# KiCad board cpu-blitter-inputs.kicad_pcb
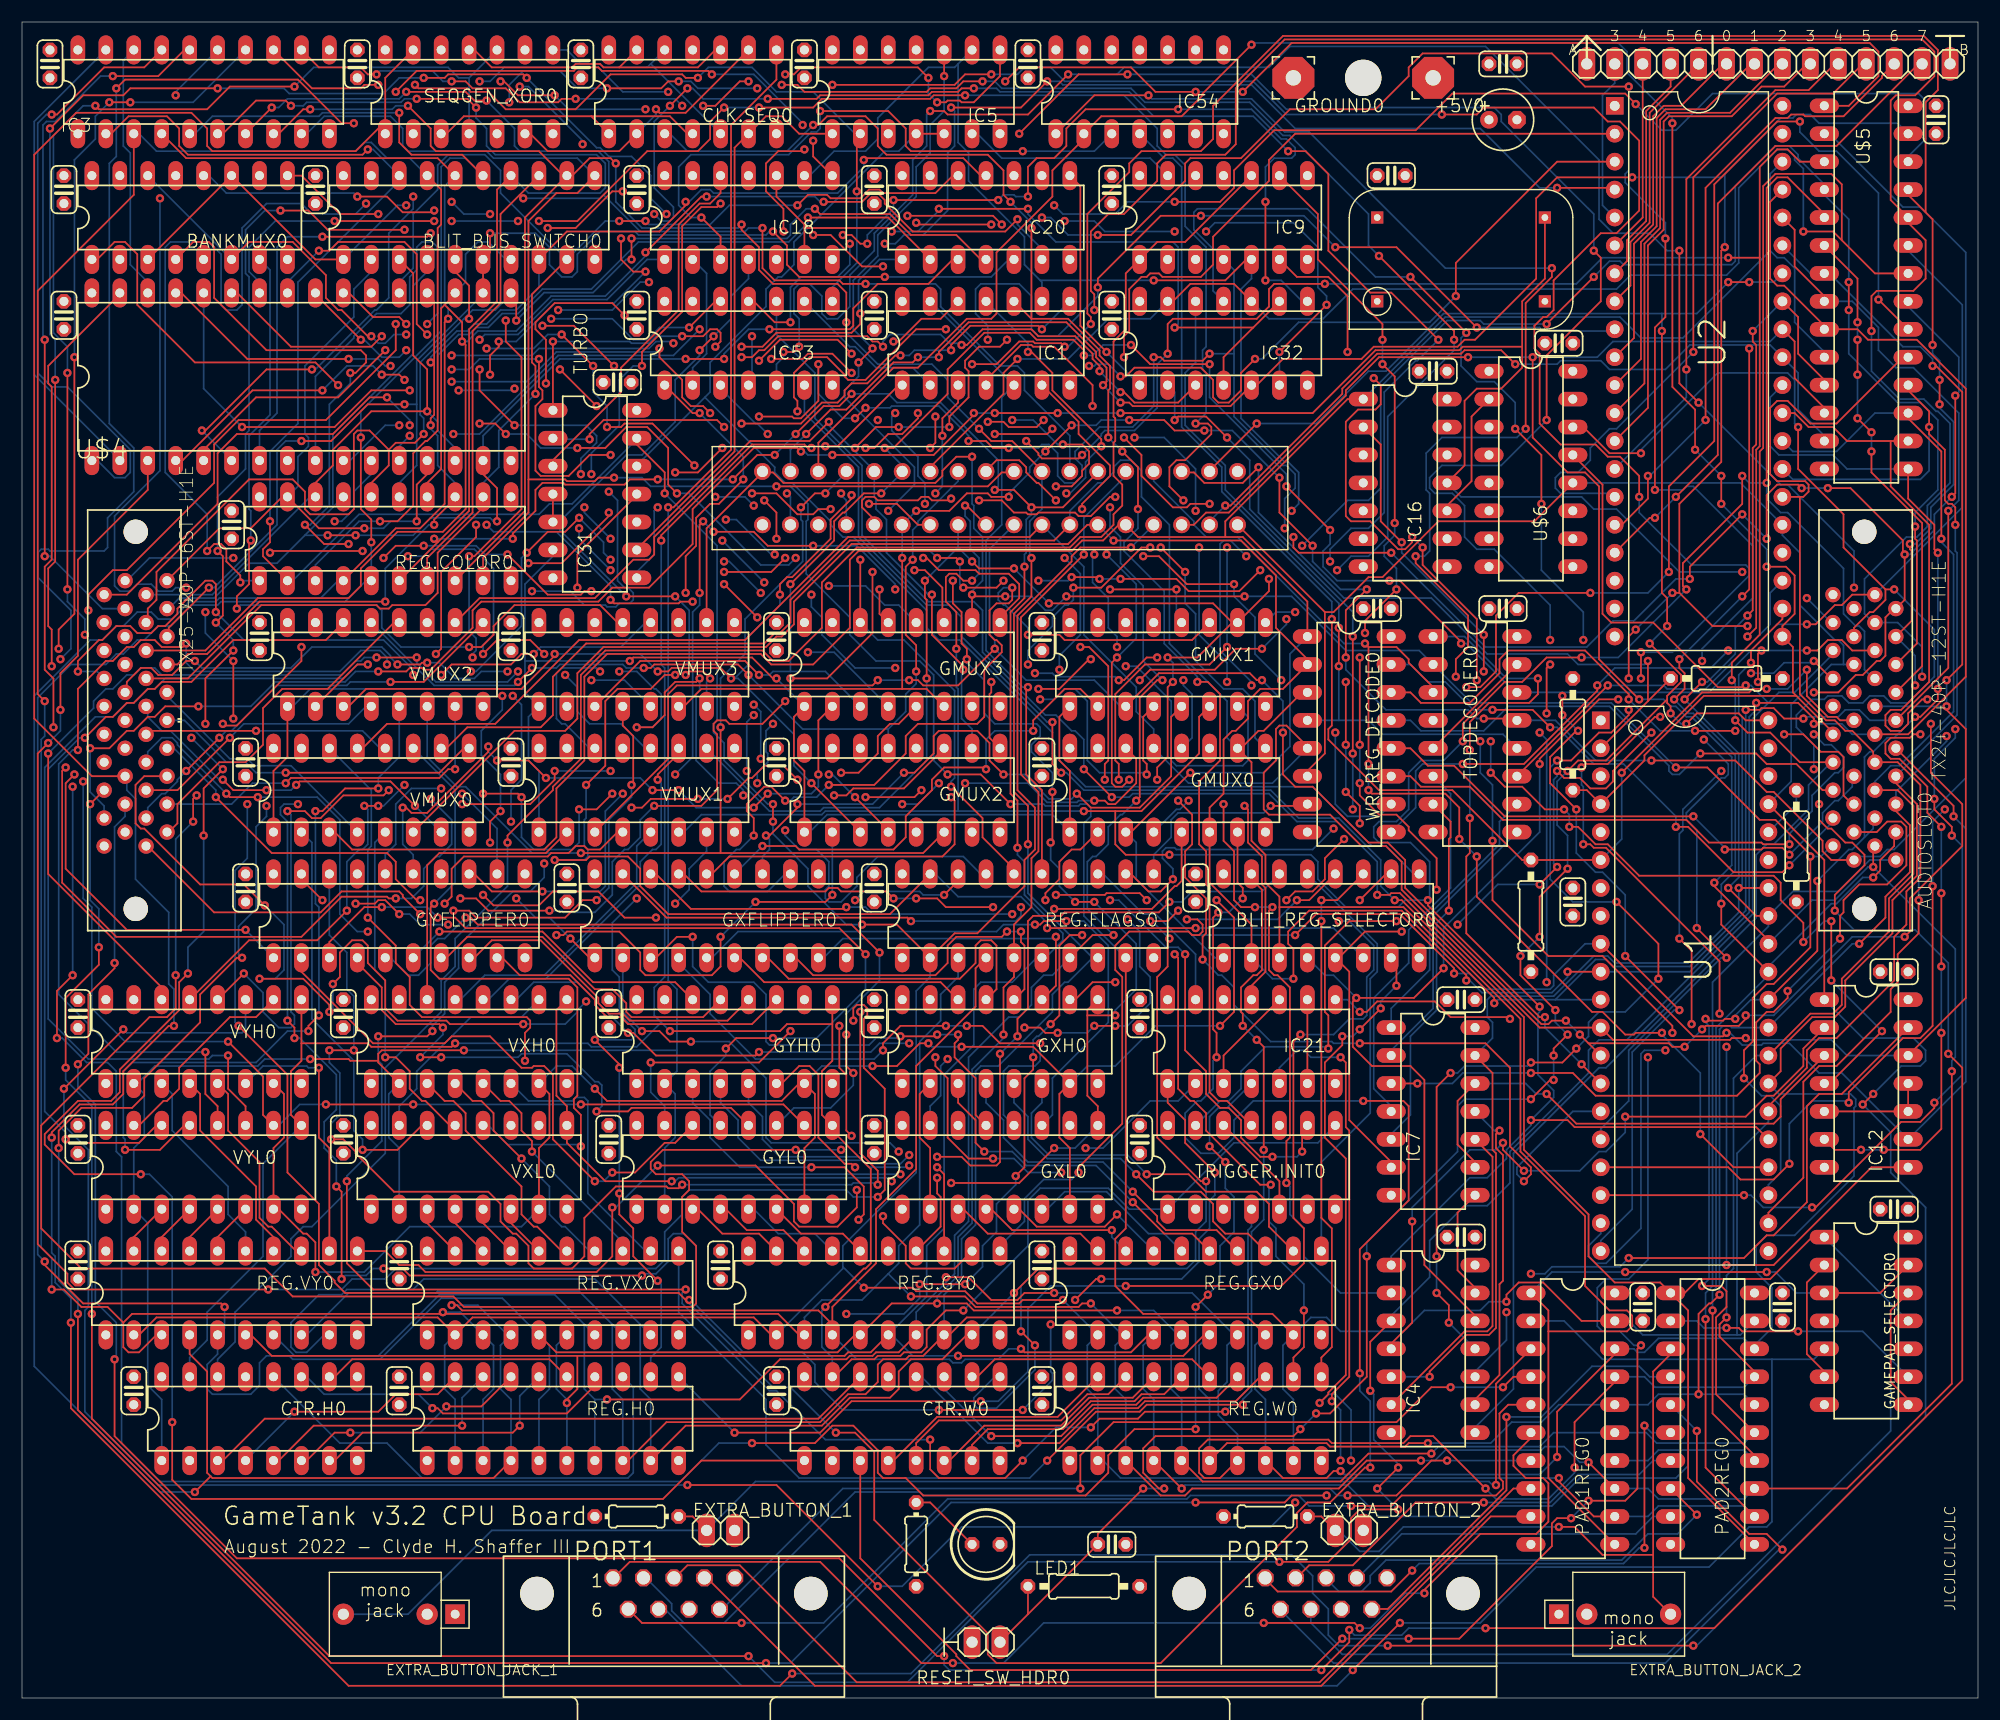
[diagram p0: board, top side]
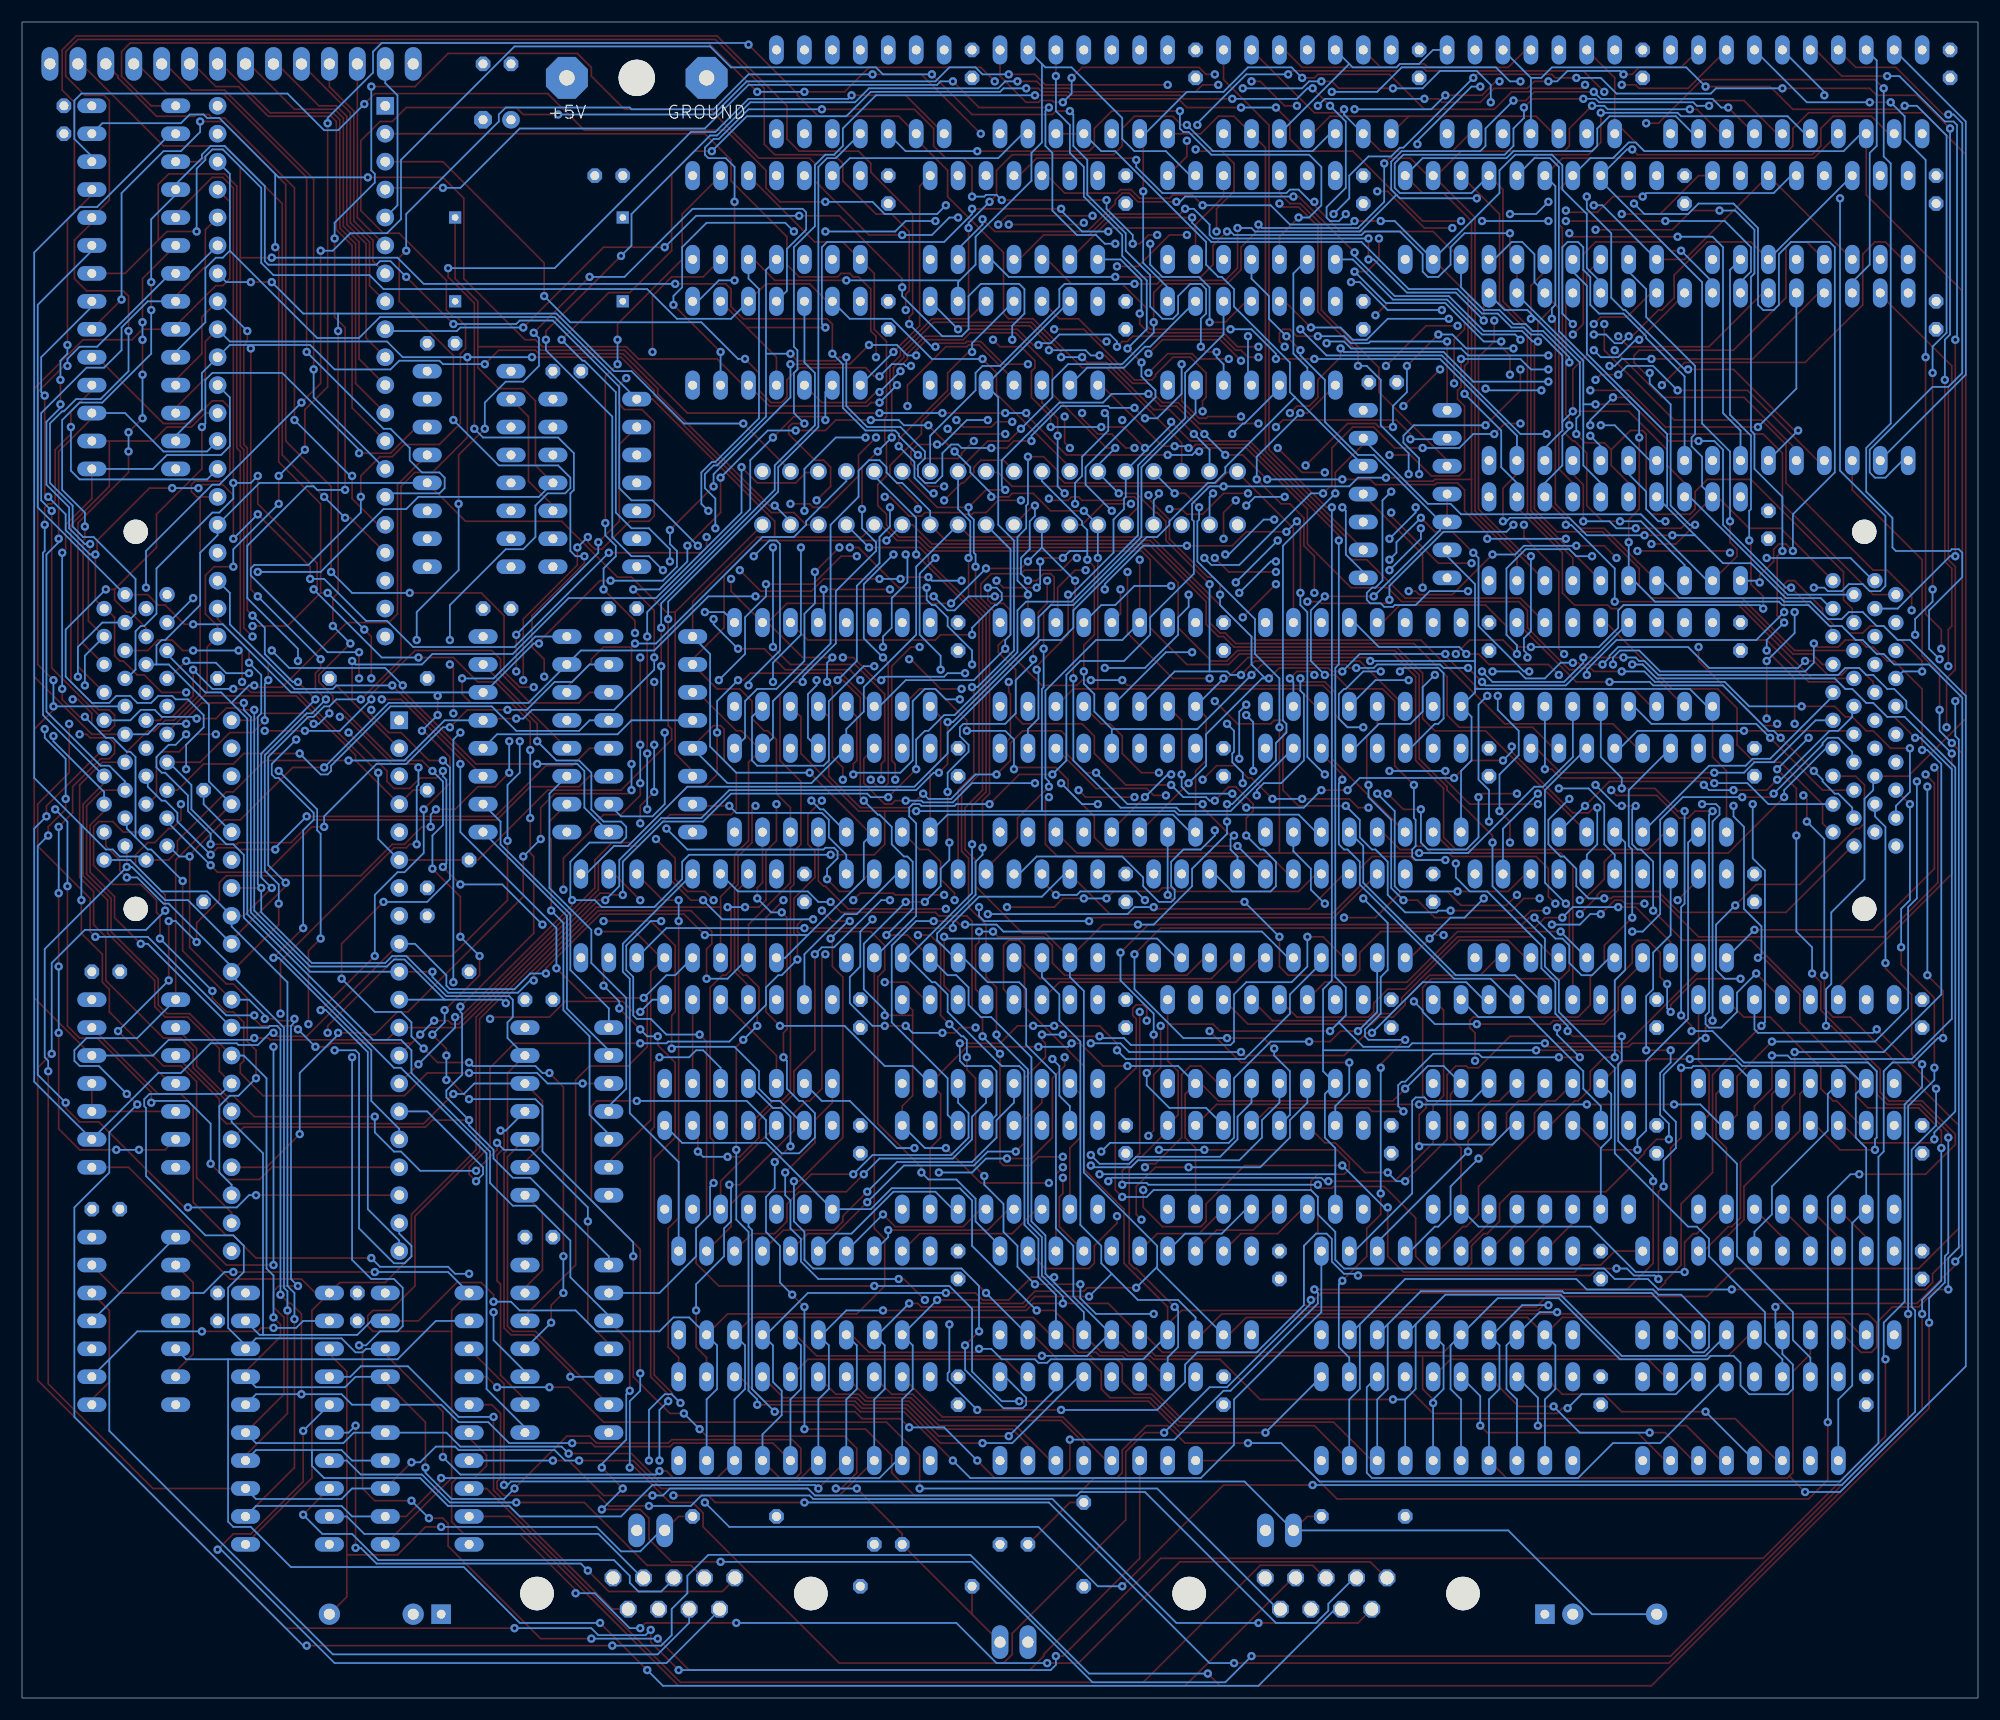
[diagram p1: board, bottom side, seen from below]

Outline 177.8 x 152.4 mm; copper layers: Top, In1.Cu, In2.Cu, Bottom. Coordinates in mm from the lower left corner of the outline.
Outline path: 0,152.4 0,0 177.8,0 177.8,152.4 0,152.4

## Placement (name value [footprint] x y rotation side)
+5V0  -  [3,81_1,4]  128.27 147.32 0 top
@HOLE0  -  [unnamed]  121.92 147.32 0 top
AUDIOSLOT0  TX24-40R-12ST-H1E  [CON40_2X20_MU_TX24_JAE]  163.47 88.9 90 top
BANKMUX0  74LS257N  [DIL16]  15.24 134.62 0 top
BLIT_BUS_SWITCH0  74640N  [DIL20]  40.64 134.62 0 top
BLIT_REG_SELECTOR0  74HC238  [DIL16]  118.11 71.12 0 top
C1  -  [C025-024X044]  63.5 39.37 270 top
C2  -  [C025-024X044]  10.16 27.94 270 top
C3  -  [C025-024X044]  34.29 27.94 270 top
C4  -  [C025-024X044]  68.58 27.94 270 top
C5  -  [C025-024X044]  92.71 27.94 270 top
C6  -  [C025-024X044]  92.71 39.37 270 top
C7  -  [C025-024X044]  68.58 85.09 270 top
C8  -  [C025-024X044]  92.71 85.09 270 top
C9  -  [C025-024X044]  68.58 96.52 270 top
C10  -  [C025-024X044]  99.06 137.16 270 top
C11  -  [C025-024X044]  55.88 137.16 270 top
C12  -  [C025-024X044]  50.8 148.59 270 top
C13  -  [C025-024X044]  77.47 137.16 270 top
C14  -  [C025-024X044]  123.19 99.06 180 top
C15  -  [C025-024X044]  140.97 72.39 90 top
C16  -  [C025-024X044]  53.34 62.23 270 top
C17  -  [C025-024X044]  91.44 148.59 270 top
C18  -  [C025-024X044]  30.48 148.59 270 top
C19  -  [C025-024X044]  71.12 148.59 270 top
C20  -  [C025-024X044]  77.47 73.66 270 top
C21  -  [C025-024X044]  5.08 62.23 270 top
C22  -  [C025-024X044]  29.21 62.23 270 top
C23  -  [C025-024X044]  77.47 62.23 270 top
C24  -  [C025-024X044]  101.6 62.23 270 top
C25  -  [C025-024X044]  26.67 137.16 270 top
C26  -  [C025-024X044]  5.08 50.8 270 top
C27  -  [C025-024X044]  29.21 50.8 270 top
C28  -  [C025-024X044]  53.34 50.8 270 top
C29  -  [C025-024X044]  77.47 50.8 270 top
C30  -  [C025-024X044]  101.6 50.8 270 top
C31  -  [C025-024X044]  5.08 39.37 270 top
C32  -  [C025-024X044]  34.29 39.37 270 top
C33  -  [C025-024X044]  130.81 63.5 180 top
C34  -  [C025-024X044]  147.32 35.56 270 top
C35  -  [C025-024X044]  160.02 35.56 270 top
C36  -  [C025-024X044]  170.18 44.45 180 top
C38  -  [C025-024X044]  130.81 41.91 180 top
C39  -  [C025-024X044]  173.99 143.51 270 top
C40  -  [C025-024X044]  170.18 66.04 180 top
C41  -  [C025-024X044]  128.27 120.65 180 top
C42  -  [C025-024X044]  139.7 123.19 180 top
C43  -  [C025-024X044]  124.46 138.43 0 top
C44  -  [C025-024X044]  134.62 99.06 180 top
C45  -  [C025-024X044]  106.68 73.66 270 top
C46  -  [C025-024X044]  49.53 73.66 270 top
C47  0.1uF  [C025-024X044]  99.06 13.97 0 top
C48  0.1uF  [C025-024X044]  44.45 96.52 270 top
C49  0.1uF  [C025-024X044]  44.45 85.09 270 top
C50  0.1uF  [C025-024X044]  2.54 148.59 270 top
C51  0.1uF  [C025-024X044]  3.81 137.16 270 top
C52  0.1uF  [C025-024X044]  3.81 125.73 270 top
C53  0.1uF  [C025-024X044]  19.05 106.68 270 top
C54  0.1uF  [C025-024X044]  54.1 119.63 180 top
C55  0.1uF  [C025-024X044]  21.59 96.52 270 top
C56  0.1uF  [C025-024X044]  20.32 85.09 270 top
C57  -  [C025-024X044]  134.62 148.59 0 top
C58  -  [E2,5-6]  134.62 143.51 0 top
C59  0.1uF  [C025-024X044]  20.32 73.66 270 top
C60  0.1uF  [C025-024X044]  55.88 125.73 270 top
C61  0.1uF  [C025-024X044]  77.47 125.73 270 top
C62  0.1uF  [C025-024X044]  99.06 125.73 270 top
C63  0.1uF  [C025-024X044]  92.71 96.52 270 top
CLK.SEQ0  74S08N  [DIL14]  60.96 146.05 0 top
CTR.H0  CD40103  [DIL16]  21.59 25.4 0 top
CTR.W0  CD40103  [DIL16]  80.01 25.4 0 top
EXTRA_BUTTON_1  -  [1X02]  63.5 15.24 0 top
EXTRA_BUTTON_2  -  [1X02]  120.65 15.24 0 top
EXTRA_BUTTON_JACK_1  -  [MONOJACK]  33.02 7.62 0 top
EXTRA_BUTTON_JACK_2  -  [MONOJACK]  146.05 7.62 180 top
GAMEPAD_SELECTOR0  74LS74N  [DIL14]  167.64 34.29 270 top
GMUX0  74LS257N  [DIL16]  104.14 82.55 0 top
GMUX1  74LS257N  [DIL16]  104.14 93.98 0 top
GMUX2  74LS257N  [DIL16]  80.01 82.55 0 top
GMUX3  74LS257N  [DIL16]  80.01 93.98 0 top
GROUND0  -  [3,81_1,4]  115.57 147.32 0 top
GXFLIPPER0  74AHC8541  [DIL20]  63.5 71.12 0 top
GXH0  74HC163  [DIL16]  88.9 59.69 0 top
GXL0  74HC163  [DIL16]  88.9 48.26 0 top
GYFLIPPER0  74AHC8541  [DIL20]  34.29 71.12 0 top
GYH0  74HC163  [DIL16]  64.77 59.69 0 top
GYL0  74HC163  [DIL16]  64.77 48.26 0 top
IC1  74S08N  [DIL14]  87.63 123.19 0 top
IC3  74HC573N  [DIL20]  16.51 146.05 0 top
IC4  7404N  [DIL14]  128.27 31.75 270 top
IC5  7400N  [DIL14]  81.28 146.05 0 top
IC7  74S08N  [DIL14]  128.27 53.34 270 top
IC9  74LS74N  [DIL14]  109.22 134.62 0 top
IC12  74S08N  [DIL14]  167.64 55.88 270 top
IC16  7404N  [DIL14]  125.73 110.49 270 top
IC18  7432N  [DIL14]  66.04 134.62 0 top
IC20  7430N  [DIL14]  87.63 134.62 0 top
IC21  7400N  [DIL14]  111.76 59.69 0 top
IC31  7400N  [DIL14]  52.07 109.47 270 top
IC32  7432N  [DIL14]  109.22 123.19 0 top
IC53  7404N  [DIL14]  66.04 123.19 0 top
IC54  74LS07N  [DIL14]  101.6 146.05 0 top
J2  TX25-40P-6ST-H1E  [CON40_2X20_MU_TX25_JAE]  14.33 88.9 270 top
LED1  -  [LED5MM]  87.63 13.97 0 top
PAD1REG0  74HC573N  [DIL20]  140.97 25.4 270 top
PAD2REG0  74HC573N  [DIL20]  153.67 25.4 270 top
PORT1  -  [182-009-MALE]  59.26 0 0 top
PORT2  -  [182-009-MALE]  118.54 0 0 top
R1  3.3k  [0207_10]  154.94 92.71 0 top
R2  3.3k  [0207_10]  96.52 10.16 180 top
R3  3.3k  [0207_10]  137.16 71.12 90 top
R4  3.3k  [0207_10]  140.97 87.63 270 top
R5  3.3k  [0207_10]  161.29 77.47 270 top
R6  3.3k  [0204_7]  113.03 16.51 0 top
R7  3.3k  [0204_7]  55.88 16.51 0 top
R16  150  [0204_7]  81.28 13.97 90 top
REG.COLOR0  74HC573N  [DIL20]  33.02 105.41 0 top
REG.FLAGS0  74HC573N  [DIL20]  91.44 71.12 0 top
REG.GX0  74HC573N  [DIL20]  106.68 36.83 0 top
REG.GY0  74HC573N  [DIL20]  77.47 36.83 0 top
REG.H0  74HC573N  [DIL20]  48.26 25.4 0 top
REG.VX0  74HC573N  [DIL20]  48.26 36.83 0 top
REG.VY0  74HC573N  [DIL20]  19.05 36.83 0 top
REG.W0  74HC573N  [DIL20]  106.68 25.4 0 top
RESET_SW_HDR0  -  [1X02]  87.63 5.08 0 top
SEQGEN_XOR0  74LS86N  [DIL14]  40.64 146.05 0 top
TOPDECODER0  74LS139N  [DIL16]  132.08 87.63 270 top
TRIGGER.INIT0  74LS74N  [DIL14]  111.76 48.26 0 top
U1  W65C02SP  [DIP-40]  151.13 66.04 270 top
U2  VIA  [DIP-40]  152.4 121.92 270 top
U$2  OSCILLATORMODULEDIL14  [CRYSTAL800MIL]  123.19 127 0 top
U$3  GT_CART3GT_SLOT  [SLOT36]  88.9 106.68 0 top
U$4  AS6C4008  [DIL32]  25.4 120.14 0 top
U$5  SRAM_32K  [DIL28-3]  167.64 128.27 270 top
U$6  74HC163  [DIL16]  137.16 111.76 270 top
VIAPORT0  -  [1X14]  158.75 148.59 0 top
VMUX0  74LS257N  [DIL16]  31.75 82.55 0 top
VMUX1  74LS257N  [DIL16]  55.88 82.55 0 top
VMUX2  74LS257N  [DIL16]  33.02 93.98 0 top
VMUX3  74LS257N  [DIL16]  55.88 93.98 0 top
VXH0  74HC163  [DIL16]  40.64 59.69 0 top
VXL0  74HC163  [DIL16]  40.64 48.26 0 top
VYH0  74HC163  [DIL16]  16.51 59.69 0 top
VYL0  74HC163  [DIL16]  16.51 48.26 0 top
WR_REG_DECODE0  74HC238  [DIL16]  120.65 87.63 270 top

## Footprints (pads in the part's own frame, mm; a bottom-side part is the same pattern mirrored in y, then rotated)
1X02
  oval 1.524x3.048 hole 1.016: 1(-1.27,0) 2(1.27,0)
1X14
  oval 1.524x3.048 hole 1.016: 1(-16.51,0) 2(-13.97,0) 3(-11.43,0) 4(-8.89,0) 5(-6.35,0) 6(-3.81,0) 7(-1.27,0) 8(1.27,0) 9(3.81,0) 10(6.35,0) 11(8.89,0) 12(11.43,0) 13(13.97,0) 14(16.51,0)
3,81_1,4
  rrect 3.81x3.81 hole 1.397: 1(0,0)
182-009-MALE
  round 3.048 hole 3.048 unplated: (-12.446,9.501) (12.446,9.501)
  rrect 1.524x1.524 hole 1.194: 1(-5.537,10.923) 2(-2.769,10.923) 3(0,10.923) 4(2.769,10.923) 5(5.537,10.923) 6(-4.153,8.08) 7(-1.384,8.08) 8(1.384,8.08) 9(4.153,8.08)
0204_7
  rrect 1.321x1.321 hole 0.813: 1(-3.81,0) 2(3.81,0)
0207_10
  rrect 1.321x1.321 hole 0.813: 1(-5.08,0) 2(5.08,0)
C025-024X044
  rrect 1.321x1.321 hole 0.813: 1(-1.27,0) 2(1.27,0)
CON40_2X20_MU_TX24_JAE
  round 1.397 hole 0.813: 1(11.43,-1.143) 2(10.16,-3.048) 3(8.89,-1.143) 4(7.62,-3.048) 5(6.35,-1.143) 6(5.08,-3.048) 7(3.81,-1.143) 8(2.54,-3.048) 9(1.27,-1.143) 10(0,-3.048) 11(-1.27,-1.143) 12(-2.54,-3.048) 13(-3.81,-1.143) 14(-5.08,-3.048) 15(-6.35,-1.143) 16(-7.62,-3.048) 17(-8.89,-1.143) 18(-10.16,-3.048) 19(-11.43,-1.143) 20(-12.7,-3.048) 21(11.43,-4.953) 22(10.16,-6.858) 23(8.89,-4.953) 24(7.62,-6.858) 25(6.35,-4.953) 26(5.08,-6.858) 27(3.81,-4.953) 28(2.54,-6.858) 29(1.27,-4.953) 30(0,-6.858) 31(-1.27,-4.953) 32(-2.54,-6.858) 33(-3.81,-4.953) 34(-5.08,-6.858) 35(-6.35,-4.953) 36(-7.62,-6.858) 37(-8.89,-4.953) 38(-10.16,-6.858) 39(-11.43,-4.953) 40(-12.7,-6.858)
  round 2.21 hole 2.21: 41(-17.145,-3.988) 42(17.145,-3.988)
CON40_2X20_MU_TX25_JAE
  round 1.397 hole 0.813: 1(11.43,-6.858) 2(10.16,-4.953) 3(8.89,-6.858) 4(7.62,-4.953) 5(6.35,-6.858) 6(5.08,-4.953) 7(3.81,-6.858) 8(2.54,-4.953) 9(1.27,-6.858) 10(0,-4.953) 11(-1.27,-6.858) 12(-2.54,-4.953) 13(-3.81,-6.858) 14(-5.08,-4.953) 15(-6.35,-6.858) 16(-7.62,-4.953) 17(-8.89,-6.858) 18(-10.16,-4.953) 19(-11.43,-6.858) 20(-12.7,-4.953) 21(11.43,-3.048) 22(10.16,-1.143) 23(8.89,-3.048) 24(7.62,-1.143) 25(6.35,-3.048) 26(5.08,-1.143) 27(3.81,-3.048) 28(2.54,-1.143) 29(1.27,-3.048) 30(0,-1.143) 31(-1.27,-3.048) 32(-2.54,-1.143) 33(-3.81,-3.048) 34(-5.08,-1.143) 35(-6.35,-3.048) 36(-7.62,-1.143) 37(-8.89,-3.048) 38(-10.16,-1.143) 39(-11.43,-3.048) 40(-12.7,-1.143)
  round 2.21 hole 2.21: 41(-17.145,-3.988) 42(17.145,-3.988)
CRYSTAL800MIL
  rect 1.108x1.108 hole 0.6: P$1(0,0) P$2(15.24,0) P$3(0,7.62) P$4(15.24,7.62)
DIL14
  oval 1.321x2.642 hole 0.813: 1(-7.62,-3.81) 2(-5.08,-3.81) 3(-2.54,-3.81) 4(0,-3.81) 5(2.54,-3.81) 6(5.08,-3.81) 7(7.62,-3.81) 8(7.62,3.81) 9(5.08,3.81) 10(2.54,3.81) 11(0,3.81) 12(-2.54,3.81) 13(-5.08,3.81) 14(-7.62,3.81)
DIL16
  oval 1.321x2.642 hole 0.813: 1(-8.89,-3.81) 2(-6.35,-3.81) 3(-3.81,-3.81) 4(-1.27,-3.81) 5(1.27,-3.81) 6(3.81,-3.81) 7(6.35,-3.81) 8(8.89,-3.81) 9(8.89,3.81) 10(6.35,3.81) 11(3.81,3.81) 12(1.27,3.81) 13(-1.27,3.81) 14(-3.81,3.81) 15(-6.35,3.81) 16(-8.89,3.81)
DIL20
  oval 1.321x2.642 hole 0.813: 1(-11.43,-3.81) 2(-8.89,-3.81) 3(-6.35,-3.81) 4(-3.81,-3.81) 5(-1.27,-3.81) 6(1.27,-3.81) 7(3.81,-3.81) 8(6.35,-3.81) 9(8.89,-3.81) 10(11.43,-3.81) 11(11.43,3.81) 12(8.89,3.81) 13(6.35,3.81) 14(3.81,3.81) 15(1.27,3.81) 16(-1.27,3.81) 17(-3.81,3.81) 18(-6.35,3.81) 19(-8.89,3.81) 20(-11.43,3.81)
DIL28-3
  oval 1.321x2.642 hole 0.813: 1(-16.51,-3.81) 2(-13.97,-3.81) 3(-11.43,-3.81) 4(-8.89,-3.81) 5(-6.35,-3.81) 6(-3.81,-3.81) 7(-1.27,-3.81) 8(1.27,-3.81) 9(3.81,-3.81) 10(6.35,-3.81) 11(8.89,-3.81) 12(11.43,-3.81) 13(13.97,-3.81) 14(16.51,-3.81) 15(16.51,3.81) 16(13.97,3.81) 17(11.43,3.81) 18(8.89,3.81) 19(6.35,3.81) 20(3.81,3.81) 21(1.27,3.81) 22(-1.27,3.81) 23(-3.81,3.81) 24(-6.35,3.81) 25(-8.89,3.81) 26(-11.43,3.81) 27(-13.97,3.81) 28(-16.51,3.81)
DIL32
  oval 1.321x2.642 hole 0.813: 1(-19.05,-7.62) 2(-16.51,-7.62) 3(-13.97,-7.62) 4(-11.43,-7.62) 5(-8.89,-7.62) 6(-6.35,-7.62) 7(-3.81,-7.62) 8(-1.27,-7.62) 9(1.27,-7.62) 10(3.81,-7.62) 11(6.35,-7.62) 12(8.89,-7.62) 13(11.43,-7.62) 14(13.97,-7.62) 15(16.51,-7.62) 16(19.05,-7.62) 17(19.05,7.62) 18(16.51,7.62) 19(13.97,7.62) 20(11.43,7.62) 21(8.89,7.62) 22(6.35,7.62) 23(3.81,7.62) 24(1.27,7.62) 25(-1.27,7.62) 26(-3.81,7.62) 27(-6.35,7.62) 28(-8.89,7.62) 29(-11.43,7.62) 30(-13.97,7.62) 31(-16.51,7.62) 32(-19.05,7.62)
DIP-40
  rect 1.6x1.6 hole 0.889: 1(-22.86,-7.62)
  round 1.6 hole 0.889: 2(-20.32,-7.62) 3(-17.78,-7.62) 4(-15.24,-7.62) 5(-12.7,-7.62) 6(-10.16,-7.62) 7(-7.62,-7.62) 8(-5.08,-7.62) 9(-2.54,-7.62) 10(0,-7.62) 11(2.54,-7.62) 12(5.08,-7.62) 13(7.62,-7.62) 14(10.16,-7.62) 15(12.7,-7.62) 16(15.24,-7.62) 17(17.78,-7.62) 18(20.32,-7.62) 19(22.86,-7.62) 20(25.4,-7.62) 21(25.4,7.62) 22(22.86,7.62) 23(20.32,7.62) 24(17.78,7.62) 25(15.24,7.62) 26(12.7,7.62) 27(10.16,7.62) 28(7.62,7.62) 29(5.08,7.62) 30(2.54,7.62) 31(0,7.62) 32(-2.54,7.62) 33(-5.08,7.62) 34(-7.62,7.62) 35(-10.16,7.62) 36(-12.7,7.62) 37(-15.24,7.62) 38(-17.78,7.62) 39(-20.32,7.62) 40(-22.86,7.62)
E2,5-6
  round 1.6 hole 0.813: +(-1.27,0)
  rrect 1.6x1.6 hole 0.813: -(1.27,0)
LED5MM
  rrect 1.321x1.321 hole 0.813: A(-1.27,0) K(1.27,0)
MONOJACK
  rect 1.778x1.778 hole 0.8: GND(6.35,0)
  round 1.93 hole 1: SW(3.81,0) WAV(-3.81,0)
SLOT36
  round 1.524 hole 1.016: P$1(-21.59,0) P$2(-19.05,0) P$3(-16.51,0) P$4(-13.97,0) P$5(-11.43,0) P$6(-8.89,0) P$7(-6.35,0) P$8(-3.81,0) P$9(-1.27,0) P$10(1.27,0) P$11(3.81,0) P$12(6.35,0) P$13(8.89,0) P$14(11.43,0) P$15(13.97,0) P$16(16.51,0) P$17(19.05,0) P$18(21.59,0) P$19(-21.59,4.851) P$20(-19.05,4.851) P$21(-16.51,4.851) P$22(-13.97,4.851) P$23(-11.43,4.851) P$24(-8.89,4.851) P$25(-6.35,4.851) P$26(-3.81,4.851) P$27(-1.27,4.851) P$28(1.27,4.851) P$29(3.81,4.851) P$30(6.35,4.851) P$31(8.89,4.851) P$32(11.43,4.851) P$33(13.97,4.851) P$34(16.51,4.851) P$35(19.05,4.851) P$36(21.59,4.851)
unnamed
  round 3.302 hole 3.302 unplated: (0,0)

## Nets
GND: AUDIOSLOT0.2 BANKMUX0.8 BANKMUX0.15 BLIT_BUS_SWITCH0.10 BLIT_REG_SELECTOR0.8 C1.2 C2.2 C3.2 C4.2 C5.2 C6.2 C7.2 C8.2 C9.2 C10.2 C11.2 C12.2 C13.2 C14.2 C15.2 C16.2 C17.2 C18.2 C19.2 C20.2 C21.2 C22.2 C23.2 C24.2 C25.2 C26.2 C27.2 C28.2 C29.2 C30.2 C31.2 C32.2 C33.2 C34.2 C35.2 C36.2 C38.2 C39.2 C40.2 C41.2 C42.2 C43.2 C44.2 C45.2 C46.2 C47.2 C48.2 C49.2 C50.2 C51.2 C52.2 C53.2 C54.2 C55.2 C56.2 C57.2 C58.- C59.2 C60.2 C61.2 C62.2 C63.2 CLK.SEQ0.7 CTR.H0.8 CTR.H0.13 CTR.W0.8 CTR.W0.13 EXTRA_BUTTON_1.2 EXTRA_BUTTON_2.2 EXTRA_BUTTON_JACK_1.GND EXTRA_BUTTON_JACK_2.GND GAMEPAD_SELECTOR0.7 GMUX0.8 GMUX0.15 GMUX1.8 GMUX1.15 GMUX2.8 GMUX2.15 GMUX3.8 GMUX3.15 GROUND0.1 GXFLIPPER0.10 GXFLIPPER0.11 GXH0.8 GXL0.8 GYFLIPPER0.10 GYFLIPPER0.11 GYH0.8 GYL0.8 IC1.7 IC3.1 IC3.10 IC4.7 IC5.7 IC7.7 IC9.2 IC9.3 IC9.7 IC9.11 IC9.12 IC12.7 IC16.7 IC18.7 IC20.7 IC21.7 IC31.7 IC32.7 IC53.7 IC54.7 J2.2 LED1.K PAD1REG0.10 PAD2REG0.10 PORT1.8 PORT2.8 REG.COLOR0.10 REG.FLAGS0.1 REG.FLAGS0.10 REG.GX0.1 REG.GX0.10 REG.GY0.1 REG.GY0.10 REG.H0.1 REG.H0.10 REG.VX0.1 REG.VX0.10 REG.VY0.1 REG.VY0.10 REG.W0.1 REG.W0.10 RESET_SW_HDR0.1 SEQGEN_XOR0.2 SEQGEN_XOR0.5 SEQGEN_XOR0.7 TOPDECODER0.8 TRIGGER.INIT0.2 TRIGGER.INIT0.3 TRIGGER.INIT0.7 U1.21 U2.1 U$2.P$2 U$3.P$36 U$4.16 U$4.22 U$5.14 U$6.3 U$6.4 U$6.5 U$6.6 U$6.8 VIAPORT0.14 VMUX0.8 VMUX0.15 VMUX1.8 VMUX1.15 VMUX2.8 VMUX2.15 VMUX3.8 VMUX3.15 VXH0.8 VXL0.8 VYH0.8 VYL0.8 WR_REG_DECODE0.8
VCC: +5V0.1 AUDIOSLOT0.1 BANKMUX0.2 BANKMUX0.5 BANKMUX0.10 BANKMUX0.13 BANKMUX0.16 BLIT_BUS_SWITCH0.20 BLIT_REG_SELECTOR0.16 C1.1 C2.1 C3.1 C4.1 C5.1 C6.1 C7.1 C8.1 C9.1 C10.1 C11.1 C12.1 C13.1 C14.1 C15.1 C16.1 C17.1 C18.1 C19.1 C20.1 C21.1 C22.1 C23.1 C24.1 C25.1 C26.1 C27.1 C28.1 C29.1 C30.1 C31.1 C32.1 C33.1 C34.1 C35.1 C36.1 C38.1 C39.1 C40.1 C41.1 C42.1 C43.1 C44.1 C45.1 C46.1 C48.1 C49.1 C50.1 C51.1 C52.1 C53.1 C54.1 C55.1 C56.1 C57.1 C58.+ C59.1 C60.1 C61.1 C62.1 C63.1 CLK.SEQ0.14 CTR.H0.2 CTR.H0.9 CTR.H0.16 CTR.W0.2 CTR.W0.16 GAMEPAD_SELECTOR0.4 GAMEPAD_SELECTOR0.10 GAMEPAD_SELECTOR0.14 GMUX0.16 GMUX1.14 GMUX1.16 GMUX2.16 GMUX3.16 GXFLIPPER0.20 GXH0.1 GXH0.16 GXL0.1 GXL0.10 GXL0.16 GYFLIPPER0.20 GYH0.1 GYH0.16 GYL0.1 GYL0.16 IC1.14 IC3.20 IC4.14 IC5.14 IC7.14 IC9.14 IC12.14 IC16.14 IC18.14 IC20.14 IC21.14 IC31.14 IC32.14 IC53.14 IC54.14 J2.1 PAD1REG0.20 PAD2REG0.20 PORT1.5 PORT2.5 R1.2 R2.1 R3.1 R4.1 R5.2 R6.1 R7.1 R16.1 REG.COLOR0.20 REG.FLAGS0.20 REG.GX0.20 REG.GY0.20 REG.H0.20 REG.VX0.20 REG.VY0.20 REG.W0.20 SEQGEN_XOR0.9 SEQGEN_XOR0.12 SEQGEN_XOR0.14 TOPDECODER0.16 TRIGGER.INIT0.10 TRIGGER.INIT0.14 U1.8 U1.38 U2.20 U2.24 U$2.P$3 U$3.P$1 U$4.32 U$5.28 U$6.1 U$6.7 U$6.9 U$6.10 U$6.16 VIAPORT0.1 VMUX0.16 VMUX1.16 VMUX2.16 VMUX3.14 VMUX3.16 VXH0.1 VXH0.16 VXL0.1 VXL0.10 VXL0.16 VYH0.1 VYH0.16 VYL0.1 VYL0.16 WR_REG_DECODE0.16
_CARTSEL: IC4.2 U$3.P$27
A0: AUDIOSLOT0.32 BLIT_REG_SELECTOR0.1 GMUX0.3 IC12.9 IC16.1 U1.9 U2.38 U$3.P$14 U$5.10 VMUX0.3 WR_REG_DECODE0.1
A1: AUDIOSLOT0.31 BLIT_REG_SELECTOR0.2 GMUX0.6 U1.10 U2.37 U$3.P$13 U$5.9 VMUX0.6 WR_REG_DECODE0.2
A2: AUDIOSLOT0.30 BLIT_REG_SELECTOR0.3 GMUX0.10 U1.11 U2.36 U$3.P$12 U$5.8 VMUX0.10 WR_REG_DECODE0.3
A3: AUDIOSLOT0.29 GMUX0.13 IC12.12 U1.12 U2.35 U$3.P$11 U$5.7 VMUX0.13 WR_REG_DECODE0.5
A4: AUDIOSLOT0.28 GMUX1.3 U1.13 U$3.P$10 U$5.6 VMUX1.3
A5: AUDIOSLOT0.27 GMUX1.6 U1.14 U$3.P$9 U$5.5 VMUX1.6
A6: AUDIOSLOT0.26 GMUX1.10 U1.15 U$3.P$8 U$5.4 VMUX1.10
A7: AUDIOSLOT0.25 GMUX2.3 U1.16 U$3.P$7 U$5.3 VMUX2.3
A8: AUDIOSLOT0.24 GMUX2.6 U1.17 U$3.P$22 U$5.25 VMUX2.6
A9: AUDIOSLOT0.23 GMUX2.10 U1.18 U$3.P$23 U$5.24 VMUX2.10
A10: AUDIOSLOT0.22 GMUX2.13 U1.19 U$3.P$26 U$5.21 VMUX2.13
A11: AUDIOSLOT0.21 GMUX3.3 TOPDECODER0.14 U1.20 U$3.P$24 U$5.23 VMUX3.3
A12: AUDIOSLOT0.20 GMUX3.6 TOPDECODER0.13 U1.22 U$3.P$6 U$5.2 VMUX3.6
A13: AUDIOSLOT0.19 GMUX3.10 TOPDECODER0.2 U1.23 U$3.P$19 VMUX3.10
A14: TOPDECODER0.3 U1.24 U$3.P$33
A15: IC4.1 TOPDECODER0.1 U1.25
AUD_LFSR_X: AUDIOSLOT0.9 WR_REG_DECODE0.11
AUD_RESET: AUDIOSLOT0.17 WR_REG_DECODE0.15
AUD_SAMP_RATE_SEL: AUDIOSLOT0.7 WR_REG_DECODE0.9
AUD_SQ2_N: AUDIOSLOT0.15 WR_REG_DECODE0.13
AUD_SQ2_X: AUDIOSLOT0.14 WR_REG_DECODE0.12
BE: R5.1 U1.36
CLK3_5: AUDIOSLOT0.6 IC12.1 J2.6 SEQGEN_XOR0.1 SEQGEN_XOR0.13 U1.37 U2.25 U$3.P$18 U$6.12 WR_REG_DECODE0.6
CLK7: AUDIOSLOT0.5 IC4.3 J2.5 SEQGEN_XOR0.4 SEQGEN_XOR0.10 U$6.13
CLK14: AUDIOSLOT0.4 J2.4 U$6.14
CLK28: AUDIOSLOT0.3 IC16.11 J2.3 U$2.P$4
COLORFILL: GMUX3.14 IC5.10 REG.FLAGS0.16
D0: AUDIOSLOT0.40 BLIT_BUS_SWITCH0.18 IC3.2 IC31.13 PAD1REG0.12 PAD2REG0.12 REG.COLOR0.2 REG.FLAGS0.2 REG.GX0.2 REG.GY0.2 REG.H0.2 REG.VX0.2 REG.VY0.2 REG.W0.2 U1.33 U2.33 U$3.P$15 U$5.11
D1: AUDIOSLOT0.39 BLIT_BUS_SWITCH0.17 IC3.3 PAD1REG0.13 PAD2REG0.13 REG.COLOR0.3 REG.FLAGS0.3 REG.GX0.3 REG.GY0.3 REG.H0.3 REG.VX0.3 REG.VY0.3 REG.W0.3 U1.32 U2.32 U$3.P$16 U$5.12
D2: AUDIOSLOT0.38 BLIT_BUS_SWITCH0.16 IC3.4 PAD1REG0.14 PAD2REG0.14 REG.COLOR0.4 REG.FLAGS0.4 REG.GX0.4 REG.GY0.4 REG.H0.4 REG.VX0.4 REG.VY0.4 REG.W0.4 U1.31 U2.31 U$3.P$17 U$5.13
D3: AUDIOSLOT0.37 BLIT_BUS_SWITCH0.15 IC3.5 PAD1REG0.15 PAD2REG0.15 REG.COLOR0.5 REG.FLAGS0.5 REG.GX0.5 REG.GY0.5 REG.H0.5 REG.VX0.5 REG.VY0.5 REG.W0.5 U1.30 U2.30 U$3.P$32 U$5.15
D4: AUDIOSLOT0.36 BLIT_BUS_SWITCH0.14 IC3.6 PAD1REG0.16 PAD2REG0.16 REG.COLOR0.6 REG.FLAGS0.6 REG.GX0.6 REG.GY0.6 REG.H0.6 REG.VX0.6 REG.VY0.6 REG.W0.6 U1.29 U2.29 U$3.P$31 U$5.16
D5: AUDIOSLOT0.35 BLIT_BUS_SWITCH0.13 IC3.7 PAD1REG0.17 PAD2REG0.17 REG.COLOR0.7 REG.FLAGS0.7 REG.GX0.7 REG.GY0.7 REG.H0.7 REG.VX0.7 REG.VY0.7 REG.W0.7 U1.28 U2.28 U$3.P$30 U$5.17
D6: AUDIOSLOT0.34 BLIT_BUS_SWITCH0.12 IC3.8 PAD1REG0.18 PAD2REG0.18 REG.COLOR0.8 REG.FLAGS0.8 REG.GX0.8 REG.GY0.8 REG.H0.8 REG.VX0.8 REG.VY0.8 REG.W0.8 U1.27 U2.27 U$3.P$29 U$5.18
D7: AUDIOSLOT0.33 BLIT_BUS_SWITCH0.11 IC3.9 PAD1REG0.19 PAD2REG0.19 REG.COLOR0.9 REG.FLAGS0.9 REG.GX0.9 REG.GY0.9 REG.H0.9 REG.VX0.9 REG.VY0.9 REG.W0.9 U1.26 U2.26 U$3.P$28 U$5.19
DD0: BLIT_BUS_SWITCH0.2 IC20.1 J2.40 REG.COLOR0.19 U$4.13
DD1: BLIT_BUS_SWITCH0.3 IC20.2 J2.39 REG.COLOR0.18 U$4.14
DD2: BLIT_BUS_SWITCH0.4 IC20.3 J2.38 REG.COLOR0.17 U$4.15
DD3: BLIT_BUS_SWITCH0.5 IC20.4 J2.37 REG.COLOR0.16 U$4.17
DD4: BLIT_BUS_SWITCH0.6 IC20.5 J2.36 REG.COLOR0.15 U$4.18